# Altium PCB betaV2.3.PcbDoc (part 1 of 2) (continued)
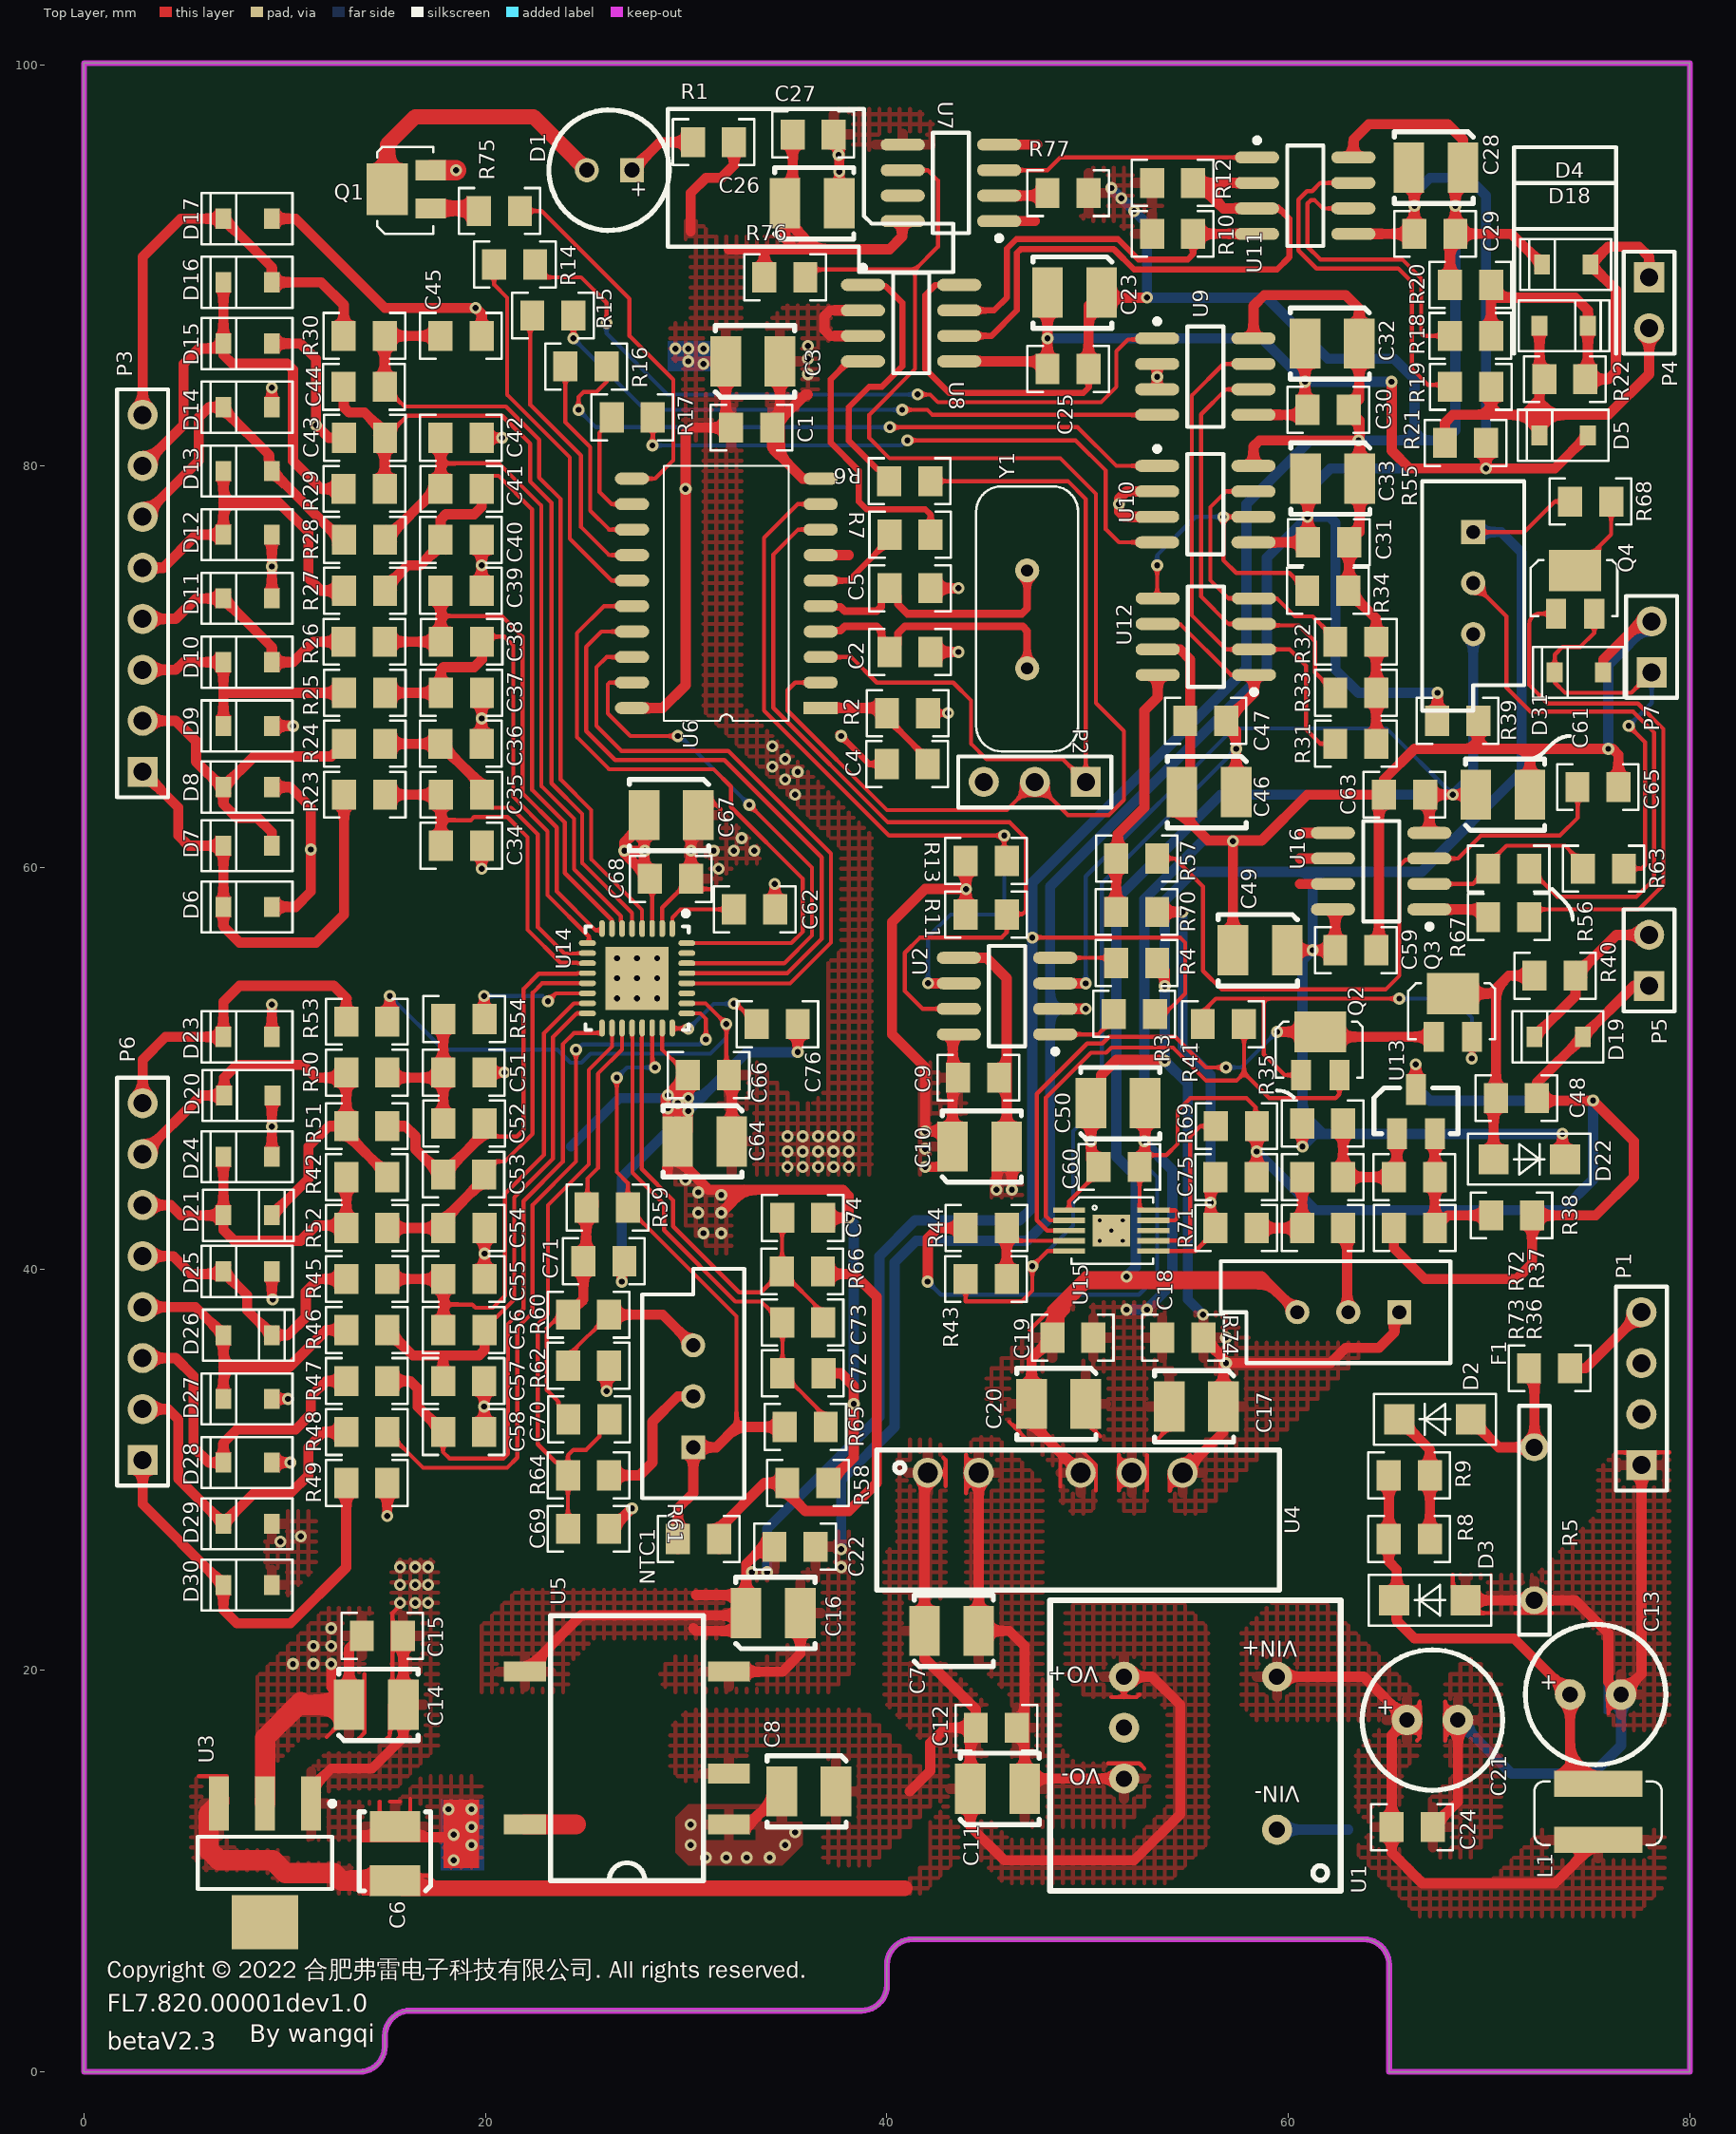
[diagram p0: Top Layer view]
## Components (designator, comment, footprint, x,y, rotation, side; value= is the part's Value field where it differs from the comment) (continued)
R49 "RC0805JR-07470RL" 0805R 15.113,29.337 r180 top value=470
R50 "RC0805JR-071KL" 0805R 15.113,49.784 r180 top value=1K
R51 "RC0805JR-071KL" 0805R 15.113,47.117 r180 top value=1K
R52 "RC0805JR-071KL" 0805R 15.113,42.037 r180 top value=1K
R53 "RC0805JR-07470RL" 0805R 15.113,52.324 r180 top value=470
R54 "RC0805JR-07100RL" 0805R 19.955,52.451 r180 top value=100R
R55 "RPot" VR5 69.215,74.168 r270 top value=1K
R56 "RC0805JR-07100ML" 0805R 69.961,59.944 r0 top value=100M
R57 "RC0805JR-072KL" 0805R 53.467,60.452 r180 top value=2K
R58 "RC0805JR-075600RL" 0805R 37.084,29.337 r180 top value=5.6K
R59 "RC0805JR-071000KL" 0805R 27.096,43.055 r180 top value=1M
R60 "RC0805JR-0768KL" 0805R 24.114,37.719 r0 top value=68K
R61 "RPot" VR5 30.353,33.655 r90 top value=1K
R62 "RC0805JR-0768KL" 0805R 26.162,35.179 r180 top value=68K
R63 "RC0805JR-072KL" 0805R 76.724,59.944 r180 top value=2K
R64 "RC0805JR-071KL" 0805R 24.114,29.718 r0 top value=1K
R65 "RC0805JR-071KL" 0805R 36.957,32.131 r180 top value=1K
R66 "RC0805JR-071KL" 0805R 34.766,39.878 r0 top value=1K
R67 "RC0805JR-0710KL" 0805R 72.009,57.531 r180 top value=10K
R68 "RC0805JR-07470RL" 0805R 74.041,78.232 r0 top value=470
R69 "RC0805JR-072KL" 0805R 58.436,47.117 r180 top value=2K
R70 "RC0805JR-072KL" 0805R 51.419,57.785 r0 top value=2K
R71 "RC0805JR-073300RL" 0805R 58.42,42.037 r180 top value=3.3K
R72 "RC0805JR-074700RL" 0805R 62.738,44.577 r180 top value=4.7K
R73 "RC0805JR-07100ML" 0805R 60.69,42.037 r0 top value=100M
R74 "RPot" VR5 62.992,37.846 r180 top value=1K
R75 "RC0805JR-0710KL" 0805R 21.717,92.71 r180 top value=10K
R76 "RC0805JR-073KL" 0805R 35.941,89.408 r180 top value=3K
R77 "RC0805JR-071KL" 0805R 50.054,93.599 r180 top value=1K
U1 "WRB_ST(SD)-3WR2" WRB_ST(SD)-3WR2 59.436,12.065 r180 top
U2 "HCPL063A" SO-8-N 48.4,51.689 r180 top
U3 "LM1117IMP" SOT223_M 9.017,10.414 r270 top
U4 "A05_S-1WR3" A05_S-1WR3 42.037,29.845 r0 top
U5 "F0505XT-W2R3" F0505XT-W2R3 32.131,12.319 r90 top
U6 "STC12C5620AD" SOP20 36.703,67.945 r180 top
U7 "HCPL-061A" SO-8-N 45.606,92.202 r180 top
U8 "HCPL063A" SO-8-N 38.798,89.027 r0 top
U9 "HCPL063A" SO-8-N 53.454,86.36 r0 top
U10 "HCPL063A" SO-8-N 53.454,80.01 r0 top
U11 "SN65LBC184" SO-8-N 58.433,95.377 r0 top
U12 "DAC7611U" SO-8-N 58.306,69.596 r180 top
U13 "TL431" SOT-23-3 65.41,46.736 r0 top
U14 "AD7124-8" TI-RHB32-3150X3150TP_V 27.559,54.483 r270 top
U15 "XTR111" S-PDSO-G10 49.081,42.926 r0 top
U16 "TL062ACD" SO-8-N 67.043,57.912 r180 top
Y1 "XTAL" 11.0592MHZ 46.99,74.803 r270 top

## Footprints (in the part's own frame and the unit in brackets; to place one, negate y for a bottom-side part, rotate by r counter-clockwise, add the part's x,y. Pads: shape width x height; smd on the part's side, far side on the other; paste and mask are expansions set on the pad)
11.0592MHZ [mm]
  round 1.2 hole 0.6: 1(0,0) 2(4.88,0)
  silkscreen extent -4.19,-2.54 9.02,2.54, body extent -3.99,-2.29 8.81,2.54, height 4.3
0805C [mm]
  rect 1.2x1.5 smd: 1(0,0) 2(2.048,0)
  silkscreen extent -1.02,-1.14 3.05,1.14, body extent 0.02,-0.65 2.02,0.66, height 0.73
0805R [mm]
  rect 1.2x1.5 smd: 1(0,0) 2(2.048,0)
  silkscreen extent -1.02,-1.14 3.05,1.14, body extent -0.13,-0.67 2.17,0.68, height 0.76
A05_S-1WR3 [mm]
  round 1.5 hole 1: 1(0,0) 2(2.54,0) 4(7.62,0) 5(10.16,0) 6(12.7,0)
  silkscreen extent -2.54,-5.84 17.53,1.14, body extent -2.33,-5.29 17.32,0.71, height 10.16
CB [mm] "Tantalum?Capacitor"
  rect 2.5x1.524 smd: 1(0,0) 2(0,-2.7)
  silkscreen extent -1.78,-3.43 1.78,0.51, body extent -1.48,-3.37 1.52,0.33, height 4.11
F0505XT-W2R3 [mm]
  rect 1x2.1 smd: 1(0,0) 2(2.54,0) 4(7.62,0) 5(7.62,10.16) 8(0,10.16)
  silkscreen extent -2.79,1.27 10.41,8.89, body extent -2.79,-0.6 10.41,10.8, height 5
HDR1X2 [mm] "Connector; Header; 2 Position"
  rect 1.5x1.5 hole 0.9: 1(0,0)
  round 1.5 hole 0.9: 2(2.54,0)
  silkscreen extent -1.27,-1.27 3.81,1.27
HDR1X3 [mm] "Connector; Header; 3 Position"
  rect 1.5x1.5 hole 0.9: 1(0,0)
  round 1.5 hole 0.9: 2(2.54,0) 3(5.08,0)
  silkscreen extent -1.27,-1.27 6.35,1.27
HDR1X4 [mm] "Connector; Header; 4 Position"
  rect 1.5x1.5 hole 0.9: 1(0,0)
  round 1.5 hole 0.9: 2(2.54,0) 3(5.08,0) 4(7.62,0)
  silkscreen extent -1.27,-1.27 8.89,1.27
HDR1X8 [mm] "Connector; Header; 8 Position"
  rect 1.5x1.5 hole 0.9: 1(0,0)
  round 1.5 hole 0.9: 2(2.54,0) 3(5.08,0) 4(7.62,0) 5(10.16,0) 6(12.7,0) 7(15.24,0) 8(17.78,0)
  silkscreen extent -1.27,-1.27 19.05,1.27
LEDΦ3.0 [mm]
  rect 1.2x1.2 hole 0.762: 1(0,0)
  round 1.2 hole 0.762: 2(2.25,0)
  silkscreen extent -1.86,-3 4.14,3, body extent -0.64,-1.9 2.79,1.9, height 4.64
MOV [mm] "Axial Device, Thru-Hole; 2 Leads; 0.3 in Pin Spacing"
  round 1.4 hole 0.85: 1(-3.81,0) 2(3.81,0)
  silkscreen extent -5.53,-0.76 5.88,0.76, body extent -5.5,-0.9 5.8,0.95, height 18.5
S-PDSO-G10 [mm]
  rect 1.6x0.27 smd: 1(0,0) 2(0,-0.508) 3(0,-1.016) 4(0,-1.524) 5(0,-2.032) 6(4.2,-2.032) 7(4.191,-1.524) 8(4.191,-1.016) 9(4.191,-0.508) 10(4.191,0)
  rect 1.88x1.57 smd: 12(2.1,-1.016)
  silkscreen extent 0.13,-2.67 4.19,0.64, body extent -0.42,-2.56 4.62,0.54, height 1.1
SO-8-N [mm]
  oval 2.2x0.6 smd: 1(0.013,0) 2(0.013,-1.27) 3(0.013,-2.54) 4(0.013,-3.81) 5(4.813,-3.81) 6(4.813,-2.54) 7(4.813,-1.27) 8(4.813,0)
  silkscreen extent -0.11,-4.41 3.31,0.97, body extent -0.48,-4.39 5.3,0.51, height 1.45
SOD123 [mm]
  rect 1.5x1.5 smd: 1(0,0) 2(3.556,0)
  silkscreen extent -1.27,-1.27 4.83,1.27, body extent -0.2,-0.8 3.5,0.8, height 1.27
SOD323 [mm]
  rect 0.8x1 smd: 1(0,0) 2(2.413,0)
  silkscreen extent -1.03,-1.27 3.49,1.27, body extent -0.16,-0.68 2.44,0.67, height 1.1
SOP20 [mm]
  rect 1.7x0.6 smd: 1(0,0)
  oval 1.7x0.6 smd: 2(0,-1.27) 3(0,-2.54) 4(0,-3.81) 5(0,-5.08) 6(0,-6.35) 7(0,-7.62) 8(0,-8.89) 9(0,-10.16) 10(0,-11.43) 11(9.4,-11.43) 12(9.4,-10.16) 13(9.4,-8.89) 14(9.4,-7.62) 15(9.4,-6.35) 16(9.4,-5.08) 17(9.4,-3.81) 18(9.4,-2.54) 19(9.4,-1.27) 20(9.4,0)
  silkscreen extent 1.58,-12.06 7.82,0.64, body extent -0.45,-12.07 9.85,0.63, height 2.51
SOT223_M [mm] "SOT223, 4-Leads, Body 6.5x3.5mm, Pitch 2.3mm, Lead Span 7mm, IPC Low Density"
  rect 2.7x1 smd: 1(-2.95,2.3) 2(-2.95,0) 3(-2.95,-2.3)
  rect 2.7x3.3 smd: 4(2.95,0)
  silkscreen extent -3.07,-3.35 1.3,3.48, body extent -1.85,-3.35 1.85,3.35, height 1.7
SOT-23-3 [mm]
  rect 1x1.524 smd: 1(0,0) 2(1.9,0) 3(0.95,2.2)
  silkscreen extent -1.14,0 3.05,2.29, body extent -0.55,-0.23 2.45,2.27, height 0.55
SOT-23-BJT [mm]
  rect 2.6x2.05 smd: 1(0.95,2.159)
  rect 1x1.5 smd: 2(0,0) 3(1.9,0)
  silkscreen extent -1.27,-0.13 3.05,2.67, body extent -0.55,-0.23 2.45,2.27, height 0.55
SOT-23-MOS [mm]
  rect 1x1.5 smd: 1(0,0) 2(1.9,0)
  rect 2.6x2.05 smd: 3(0.95,2.159)
  silkscreen extent -1.27,-0.13 3.05,2.67, body extent -0.55,-0.11 2.45,2.39, height 0.55
TI-RHB32-3150X3150TP_V [mm] "QFN, 32-Leads, Body 5x5mm, Pitch 0.5mm, Thermal Pad 3.15x3.15mm"
  oval 0.85x0.28 smd: 1(-2.475,1.75) 2(-2.475,1.25) 3(-2.475,0.75) 4(-2.475,0.25) 5(-2.475,-0.25) 6(-2.475,-0.75) 7(-2.475,-1.25) 8(-2.475,-1.75) 17(2.475,-1.75) 18(2.475,-1.25) 19(2.475,-0.75) 20(2.475,-0.25) 21(2.475,0.25) 22(2.475,0.75) 23(2.475,1.25) 24(2.475,1.75)
  oval 0.28x0.85 smd: 9(-1.75,-2.475) 10(-1.25,-2.475) 11(-0.75,-2.475) 12(-0.25,-2.475) 13(0.25,-2.475) 14(0.75,-2.475) 15(1.25,-2.475) 16(1.75,-2.475) 25(1.75,2.475) 26(1.25,2.475) 27(0.75,2.475) 28(0.25,2.475) 29(-0.25,2.475) 30(-0.75,2.475) 31(-1.25,2.475) 32(-1.75,2.475)
  rect 3.15x3.15 smd: 33(0,0)
  silkscreen extent -3.35,-2.58 2.58,2.57, body extent -2.54,-2.5 2.46,2.5, height 0.85
VLS4012 [mm]
  rect 4.4x1.3 smd: 1(0,0) 2(0,-2.8)
  silkscreen extent -3.17,-3.05 3.17,0.13, body extent -2.03,-3.62 2.03,0.83, height 1.7
VR5 [mm] "Thru-Hole; 3 Leads"
  rect 1.2x1.2 hole 0.7: 1(-2.54,0)
  round 1.2 hole 0.7: 2(0,0) 3(2.54,0)
  silkscreen extent -5.08,-2.54 6.35,2.54
WRB_ST(SD)-3WR2 [mm] "WRB_ST(SD)-3WR2"
  round 1.5 hole 0.8: 1(0,0) 4(0,-7.62) 5(7.62,-7.62) 6(7.62,-5.08) 7(7.62,-2.54)
  silkscreen extent -3.18,-11.43 11.3,3.05, body extent -2.94,-11.19 11.06,2.81, height 9
Φ6.3×11.5 [mil]
  round 60 hole 30: 1(0,0) 2(100,0)
  silkscreen extent -88,-138 188,138, body extent -75,-125 175,125, height 454

## Part data
C1 C2 C4 C5 C9 C12 C15 C18 C19 C22 C24 C25 C27 C29 C30 C31 C34 C35 C36 C37 C38 C39 C40 C41 C42 C43 C44 C45 C47 C48 C51 C52 C53 C54 C55 C56 C57 C58 C59 C60 C62 C63 C65 C66 C68 C69 C70 C71 C72 C73 C74 C75 C76: library part Cap, "Capacitor"
  C2 C5 C9 C12 C15 C18 C19 C22 C24 C25 C27 C29 C30 C31 C34 C35 C36 C37 C38 C39 C40 C41 C42 C43 C44 C45 C47 C48 C51 C52 C53 C54 C55 C56 C57 C58 C59 C60 C62 C63 C65 C66 C68 C69 C70 C71 C72 C73 C74 C75 C76: LatestRevisionDate=17-Jul-2002, LatestRevisionNote="Re-released for DXP Platform.", PackageDescription="Radial Cap, Thru-Hole; 2 Leads; 0.3 in Pin Spacing", PackageReference=RAD-0.3, Published=8-Jun-2000, Publisher="Altium Limited"
C3 C6 C7 C8 C10 C11 C13 C14 C16 C17 C20 C21 C23 C26 C28 C32 C33 C46 C49 C50 C61 C64 C67: library part "Cap Pol1", "Polarized Capacitor (Radial)", LatestRevisionDate=17-Jul-2002, LatestRevisionNote="Re-released for DXP Platform.", PackageDescription="Polarized Capacitor (Radial); 2 Leads", PackageReference=RB7.6-15, Published=8-Jun-2000, Publisher="Altium Limited"
D1: library part LED2, "Typical RED, GREEN, YELLOW, AMBER GaAs LED", LatestRevisionDate=17-Jul-2002, LatestRevisionNote="Re-released for DXP Platform.", PackageDescription="SM LED; 2 Flat Leads", PackageReference=3.2X1.6X1.1, PackageVersion=Feb-2002, Published=8-Jun-2000, Publisher="Altium Limited"
D2 D3: library part Diode, "Default Diode", Code_JEDEC=DO-214-AB, LatestRevisionDate=17-Jul-2002, LatestRevisionNote="Re-released for DXP Platform.", PackageDescription="DO-214-AB/SMC; 2 C-Bend Leads; Body 7.9 x 5.9 mm, inc. leads (LxW)", PackageReference=SMC, PackageVersion=Sep-1996, Published=8-Jun-2000, Publisher="Altium Limited"
D4 D5 D18 D19 D31: library part "D Zener", "Zener Diode", LatestRevisionDate=17-Jul-2002, LatestRevisionNote="Re-released for DXP Platform.", PackageDescription="Diode, Thru-Hole; 2 Leads; 0.7 in Pin Spacing", PackageReference=DIODE-0.7, Published=8-Jun-2000, Publisher="Altium Limited"
D6 D7 D8 D9 D10 D11 D12 D13 D14 D15 D16 D17 D20 D21 D23 D24 D25 D26 D27 D28 D29 D30: library part "TVS DIODE"
D22: library part "D Schottky", "Schottky Diode", Code_JEDEC=DO-214-AA, LatestRevisionDate=17-Jul-2002, LatestRevisionNote="Re-released for DXP Platform.", PackageDescription="DO-214-AA/SMB; 2 C-Bend Leads; Body 5.3 x 3.6 mm, inc. leads (LxW)", PackageReference=SMB, Published=8-Jun-2000, Publisher="Altium Limited"
F1: "Fuse", LatestRevisionDate=17-Jul-2002, LatestRevisionNote="Re-released for DXP Platform.", PackageDescription="Thru-Hole; 2 Leads", PackageReference=PIN-W2/E2.8, Published=8-Jun-2000, Publisher="Altium Limited"
L1: library part Inductor
NTC1 R5: library part "Res Varistor", "Varistor (Voltage-Sensitive Resistor)", Code_IPC=RESC2012, LatestRevisionDate=29-May-2009, LatestRevisionNote="IPC-7351 Footprint Added.", PackageDescription="Chip Resistor 0805 Case Size", PackageReference=6-0805, PackageVersion=Mar-2003, Published=24-Mar-1999, Publisher="Altium Limited"
P1: "Header, 4-Pin", LatestRevisionDate=17-Jul-2002, LatestRevisionNote="Re-released for DXP Platform.", Publisher="Altium Limited"
P2: "Header, 3-Pin", LatestRevisionDate=17-Jul-2002, LatestRevisionNote="Re-released for DXP Platform.", Publisher="Altium Limited"
P3 P6: "Header, 8-Pin", LatestRevisionDate=17-Jul-2002, LatestRevisionNote="Re-released for DXP Platform.", Publisher="Altium Limited"
P4 P5 P7: "Header, 2-Pin", LatestRevisionDate=17-Jul-2002, LatestRevisionNote="Re-released for DXP Platform.", Publisher="Altium Limited"
Q1 Q4: library part NPN, "NPN Bipolar Transistor", Code_JEDEC=TO-226-AA, LatestRevisionDate=17-Jul-2002, LatestRevisionNote="Re-released for DXP Platform.", PackageDescription="TO, Flat Index; 3 In-Line, Axial Leads; Body Dia. 4.8mm; Leads 0.55 x 0.51 mm (max)", PackageReference=TO-226-AA, Published=8-Jun-2000, Publisher="Altium Limited"
Q2: library part PNP, "PNP Bipolar Transistor", LatestRevisionDate=29-May-2009, LatestRevisionNote="IPC-7351 Footprint Added.", PackageDescription="3-Pin SOT-23 Package 0.95 mm Pitch, 2.4 mm Lead Span", PackageReference=SOT-23B, PackageVersion=Aug-1999, Published=8-Jun-2000, Publisher="Altium Limited"
Q3: library part NMOS-2, "N-Channel Power MOSFET", ComponentLink1Description="Manufacturer Link", ComponentLink1URL=http://www.irf.com/, DatasheetVersion=PD-9.814, LatestRevisionDate=17-Jul-2002, LatestRevisionNote="Re-released for DXP Platform.", Note="Pin 2 is electrically connected to pin 4.", PackageDescription="TO, Thru-Hole, Vertical, Heatsink Mounted; 3 In-Line Leads; Pitch 2.54 mm", PackageReference=TO-220AB, PackageVersion=Feb-1997, Published=8-Jun-2000, Publisher="Altium Limited"
R1 R2 R3 R4 R6 R7 R8 R9 R10 R11 R12 R13 R14 R15 R16 R17 R18 R19 R20 R21 R22 R23 R24 R25 R26 R27 R28 R29 R30 R31 R32 R33 R34 R35 R36 R37 R38 R39 R40 R41 R42 R43 R44 R45 R46 R47 R48 R49 R50 R51 R52 R53 R54 R56 R57 R58 R59 R60 R62 R63 R64 R65 R66 R67 R68 R69 R70 R71 R72 R73 R75 R76 R77: library part Res2, "Resistor", LatestRevisionDate=17-Jul-2002, LatestRevisionNote="Re-released for DXP Platform.", PackageDescription="Axial Device, Thru-Hole; 2 Leads; 0.4 in Pin Spacing", PackageReference=AXIAL-0.4, Published=8-Jun-2000, Publisher="Altium Limited"
R55 R61 R74: "Potentiometer", LatestRevisionDate=17-Jul-2002, LatestRevisionNote="Re-released for DXP Platform.", PackageDescription="Variable Resistor, Thru-Hole; 3 Leads", PackageReference=VR5, Published=8-Jun-2000, Publisher="Altium Limited", Set Position=0.5, Sim Note="Enter the Resistance value and the set point into parameter fields."
U7: library part 6N137
U11: library part SNx5LBC184
U12: library part DAC7611
U16: "Low-Power JFET-Input Operational Amplifier, 7 to 36 V, 0 to 70 degC, 8-pin SOIC (D8), Green (RoHS & no Sb/Br)", Manufacturer="Texas Instruments", Rating=Catalog, Supplier Part Number 1=296-7175-5-ND, Total Supply Voltage(Max)(+5V is 5, +/-5V is 10)=36, Total Supply Voltage(Min)(+5V is 5, +/-5V is 10)=7, CMRR(Min)(dB)=80, Code_JEDEC=MS-012, ComponentLink1Description="Manufacturer URL", ComponentLink1URL=http://www.ti.com/, ComponentLink2Description=Datasheet, ComponentLink2URL=http://www.ti.com/lit/ds/symlink/tl062a.pdf, ComponentLink3Description="Package Specification", ComponentLink3URL=http://www.ti.com/litv/pdf/msoi002j, DatasheetVersion=SLOS078J, Eco-Plan="Green (RoHS & no Sb/Br)", GBW(Typ)(MHz)=1, IIB(Max)(pA)=200, Iq per channel(Max)(mA)=0.25, Mounting Technology="Surface Mount", Number of Channels=2, Offset Drift(Typ)(uV/C)=10, PackageDescription="8-Pin Plastic Small Outline, Body 4.9 x 3.9 mm, Pitch 1.27 mm", PackageReference=D8, PackageVersion="4040047-3/M, 06/2011", PartNumber=TL062ACD, Slew Rate(Typ)(V/us)=3.5, Sub Family="General Purpose Amplifier, High Supply Voltage Amplifier (>=30V), Low Power Amp (<=500uA)", Supplier 1=Digi-Key, Supplier 2=Farnell, Supplier 3=Newark, Supplier 4=Mouser, Supplier Part Number 2=9593241, Supplier Part Number 3=08F9224, Supplier Part Number 4=595-TL062ACD, Vio (25C)(Max)(mV)=6, Vn at 1kHz(Typ)(nV/rtHz)=42
Y1: "Crystal Oscillator", LatestRevisionDate=17-Jul-2002, LatestRevisionNote="Re-released for DXP Platform.", PackageDescription="Crystal, Thru-Hole; 2 Leads; Body 3.1 x 8.2 mm (Dia.xH)", PackageReference=R38, Published=8-Jun-2000, Publisher="Altium Limited"

## Via types
v1: diameter 0.6, hole 0.3, Top Layer to Bottom Layer, 195 vias
v2: diameter 0.5, hole 0.3, Top Layer to Bottom Layer, 9 vias
v3: diameter 0.3, hole 0.2, Top Layer to Bottom Layer, 5 vias

## Nets (pads, with @x,y where several pads share a name; then routed paths per layer and width w, separated by ;. In a path a pad name is that pad's centre, name@x,y a point inside that pad or via, vN(x,y) a via of type N, cw(c..) or ccw(c..) an arc to the next point about the centre after c; other vN are vias at no path point)
3.3VCC: C1.1 C3.1 C4.1 C9.1 C10.1 C14.1 C15.1 C26.1 C27.1 C64.1 C66.1 C67.1 C68.1 R1.1 R11.1 R13.1 R53.1 R76.2 U2.8 U3.2 U6.20 U7.8 U14.2 U14.26 | length 140.5
  Top Layer w0.203: 8.763,14.732 8.763,14.943 8.636,15.07 8.636,13.745 U3.2@9.017,13.364 U3.2@9.271,13.618 ; 9.398,15.24 9.398,15.207 ; 12.09,16.682 13.208,17.8 C14.1@13.208,18.288 ; 13.716,16.637 13.97,16.891 13.97,19.812 ; U14.2@28.809,56.958 28.809,58.003 C68.1@30.242,59.436 30.75,58.928 31.242,58.928 ; U14.26@30.034,53.233 30.968,53.233 v1(32.004,52.197) 32.004,50.292 31.75,50.038 C66.1@32.131,49.657 ; C67.1@30.607,63.5 31.115,63.5 31.725,62.89 ; U3.2@9.271,13.618 9.398,13.745 9.398,15.207 ; U3.2@9.271,13.618 9.271,15.08 9.398,15.207
  Top Layer w0.305: v1@37.592,66.675 v1(37.719,66.548) 39.116,65.151 C4.1@39.989,65.151
  Top Layer w0.508: v1(12.319,20.32) 12.319,19.177 C14.1@13.208,18.288 13.208,21.082 C15.1@13.843,21.717 ; R53.1@15.113,52.324 15.24,52.451 v1(15.24,53.594) ; U6.20@27.303,67.945 28.829,67.945 29.972,69.088 v1(29.972,78.867) 29.972,81.617 30.27,81.915 C1.1@31.971,81.915 ; 30.226,91.694 30.226,93.599 30.988,94.361 31.75,94.361 32.385,94.996 R1.1@32.385,96.139 ; C68.1@30.242,59.436 v1(30.242,60.841) 30.242,62.246 C67.1@30.607,62.611 ; C3.1@31.971,85.217 C1.1@31.971,81.915 ; C66.1@32.131,49.657 32.275,49.513 C64.1@32.275,46.355 ; 32.131,90.805 33.909,90.805 ; C1.1@32.242,81.915 C1.1@31.971,81.915 ; R76.2@33.893,89.408 33.893,90.789 33.909,90.805 ; 35.223,91.059 34.925,91.357 C26.1@34.925,92.329 ; C27.1@35.306,96.52 35.306,93.472 C26.1@34.925,93.091 C26.1@34.925,92.329 ; U7.8@40.793,92.202 40.765,92.174 40.765,91.438 40.132,90.805 36.449,90.805 ; v1(41.91,45.085) 42.468,45.085 42.488,45.105 42.766,45.105 43.274,45.613 C10.1@43.274,46.101 C10.1@43.274,46.736 ; U2.8@43.286,51.647 43.286,49.789 C9.1@43.545,49.53 43.274,49.53 C10.1@43.274,46.736 ; R11.1@43.926,57.658 43.942,57.674 v1(43.942,58.928) ; R13.1@43.926,60.325 43.942,60.309 v1(43.942,58.928) ; 33.909,90.805 36.449,90.805 ; C26.1@34.925,92.329 36.449,90.805 ; C10.1@43.274,46.736 43.147,46.863 v1(41.91,46.863) 41.91,50.038 40.259,51.689 40.259,57.277 41.91,58.928 v1(43.942,58.928)
  Top Layer w1.016: U3.2@9.017,13.364 9.017,16.637 10.795,18.415 10.922,18.288 C14.1@13.208,18.288
  Bottom Layer w0.203: v1(15.24,53.594) 17.907,50.927 23.584,50.927 24.239,50.271 24.783,50.271 25.235,50.724 31.204,50.724 32.004,51.524 v1(32.004,52.197)
  other v1: 10.414,20.32 11.43,20.32 11.43,21.209 12.319,21.209 12.319,22.098 35.052,45.085 35.814,45.085 36.576,45.085 37.338,45.085 38.1,45.085 35.052,45.847 35.814,45.847 36.576,45.847 37.338,45.847 38.1,45.847 41.91,45.974 35.052,46.609 35.814,46.609 36.576,46.609 37.338,46.609 38.1,46.609 31.623,59.944 31.369,60.833 32.385,60.833 33.401,60.833 32.766,61.468 35.433,63.627 34.925,64.389 35.56,64.77 34.29,65.024 34.925,65.405 34.29,66.04 30.861,85.09 30.099,85.217 29.464,85.852 30.099,85.852 30.861,85.852
5VDD: C16.1 C22.2 C23.1 C25.1 C28.1 C29.1 C30.1 C31.1 C32.1 C33.1 D4.2 R3.2 R10.1 R12.1 R20.1 R31.1 R32.1 R33.1 R34.1 R77.1 U5.5 U8.8 U9.8 U10.8 U11.8 | length 226.2
  Top Layer w0.203: v1(47.244,56.515) 54.61,56.515 54.864,56.261 54.864,53.721 53.848,52.705 R3.2@53.356,52.705
  Top Layer w0.305: U8.8@43.612,89.027 42.418,89.027 41.91,88.519 41.91,84.836 43.107,83.639 49.784,83.639 50.054,83.909 C25.1@50.054,84.836
  Top Layer w0.508: U5.5@21.971,19.939 24.765,22.733 32.86,22.733 C16.1@32.987,22.86 ; 30.353,22.098 30.48,21.971 33.02,21.971 32.987,22.004 C16.1@32.987,22.86 ; 30.48,23.749 C16.1@32.987,23.749 ; C22.2@34.401,26.162 33.846,26.162 32.987,25.304 C16.1@32.987,23.749 ; C25.1@50.05,84.84 50.05,87.99 C23.1@50.706,88.646 50.96,88.392 v1(52.959,88.392) ; U10.8@58.267,80.01 58.267,80.982 58.565,81.28 v1(63.5,81.28) v1@63.557,81.28 ; U9.8@58.267,86.36 58.267,87.985 58.801,88.519 62.865,88.519 63.533,87.851 C32.1@63.533,86.106 63.533,83.329 C30.1@63.008,82.804 63.557,82.255 v1@63.557,81.28 ; U11.8@63.246,95.377 63.246,96.266 64.008,97.028 67.945,97.028 68.707,96.266 C28.1@68.707,94.869 68.326,94.488 v1(68.326,92.964) C29.1@68.326,91.567 ; R31.1@64.389,66.167 R33.1@64.389,68.707 R32.1@64.389,71.247 64.389,72.39 R34.1@62.992,73.787 63.032,73.827 C31.1@63.032,76.2 63.557,76.725 C33.1@63.557,79.375 v1@63.557,81.28 ; R20.1@68.056,89.027 68.056,91.297 C29.1@68.326,91.567 ; D4.2@72.644,90.043 71.12,91.567 C29.1@68.326,91.567 ; C16.1@32.987,22.86 C16.1@32.987,23.716 ; C16.1@32.987,23.716 C16.1@32.987,23.749 ; C16.1@32.987,23.716 33.02,23.749 C16.1@32.987,23.749
  Bottom Layer w0.508: v1(34.036,24.892) 34.036,27.051 39.624,32.639 39.624,40.64 41.402,42.418 46.609,42.418 47.244,43.053 v1(47.244,56.515) 47.244,59.244 57.912,69.912 57.912,78.105 61.069,81.262 63.482,81.262 v1(63.5,81.28) 66.294,81.28 ; v1(51.181,93.853) v1(51.689,93.345) v1(52.324,92.71) 52.959,92.075 v1(52.959,88.392) 58.928,88.392 61.976,85.344 65.278,85.344 66.294,84.328 66.294,81.28 ; v1(68.326,92.964) 68.326,81.788 67.818,81.28 66.294,81.28
  other v1: 33.274,24.892
5VIN: C6.1 C7.1 C8.1 C11.1 C12.2 U1.5 U3.3 U4.1 U5.2 | length 97.4
  Top Layer w0.203: 5.715,14.732 7.112,14.732 7.112,13.759 U3.3@6.717,13.364 ; 13.888,8.89 17.526,8.89 17.526,9.144 17.526,9.398 17.145,9.779 15.748,9.779 C6.1@15.494,9.525 ; U4.1@41.877,29.685 42.026,29.834 42.926,29.834 ; 42.799,30.607 42.926,30.48 42.926,29.834 ; 42.926,29.188 42.926,29.834 ; 51.181,18.669 51.816,18.669 ; U1.5@51.816,19.685 51.816,18.669 ; 52.578,18.796 52.451,18.669 51.816,18.669
  Top Layer w0.508: 41.148,13.97 42.164,14.986 42.164,16.383 42.926,17.145 C12.2@44.434,17.145 ; U4.1@41.877,29.685 C7.1@41.877,21.971 41.877,20.607 44.434,18.05 C12.2@44.434,17.145 ; U4.1@42.026,29.834 U4.1@42.037,29.845 ; U1.5@51.816,19.685 53.213,19.685 54.61,18.288 54.61,12.827 52.324,10.541 45.847,10.541 44.163,12.225 C11.1@44.163,14.097 44.163,16.874 C12.2@44.434,17.145
  Top Layer w0.762: C6.1@15.494,9.525 15.875,9.144 17.526,9.144 40.894,9.144
  Top Layer w1.016: U3.3@6.717,13.364 6.223,12.87 6.223,11.049 6.731,10.541 9.398,10.541 10.033,9.906 12.446,9.906 12.827,9.525 C6.1@15.494,9.525
5VIN-: C1.2 C2.2 C3.2 C5.2 C6.2 C7.2 C8.2 C9.2 C10.2 C11.2 C12.1 C14.2 C15.2 C26.2 C27.2 C34.2 C36.2 C37.2 C39.2 C40.2 C42.2 C43.2 C45.2 C51.2 C54.2 C55.2 C57.2 C58.2 C62.1 C64.2 C66.2 C67.2 C68.2 C69.2 C71.2 C72.2 C74.2 C76.1 D6.1 D8.1 D9.1 D11.1 D12.1 D14.1 D15.1 D17.1 D20.1 D23.1 D24.1 D25.1 D27.1 D28.1 D29.1 D30.1 P2.3 Q1.3 R2.1 R49.1 R58.1 R62.1 U1.7 U2.5 U3.1 U4.2 U5.1 U6.10 U7.5 U8.2 U8.3 U9.2 U9.3 U10.2 U10.3 U14.3 U14.23 | length 251.7
  Top Layer w0.203: 12.173,13.481 12.192,13.462 ; 13.888,11.938 16.891,11.938 17.145,11.684 ; 14.732,13.462 14.732,12.987 C6.2@15.494,12.225 16.256,12.987 16.256,13.589 ; 15.113,16.637 15.24,16.764 C14.2@15.24,18.288 ; 15.24,13.462 15.748,13.462 ; v1(15.748,23.368) 15.748,23.261 15.587,23.1 15.587,23.08 15.367,22.86 15.367,18.829 C14.2@15.908,18.288 ; C68.2@28.194,59.436 28.305,59.325 28.305,56.962 U14.3@28.309,56.958 ; 28.809,50.919 U14.23@28.809,52.008 ; 28.821,50.919 C66.2@30.083,49.657 ; 42.291,95.885 42.291,96.393 ; 43.942,28.829 43.942,30.75 ; 51.015,15.367 52.578,15.367 52.832,15.113
  Top Layer w0.305: R2.1@42.053,67.691 v1(43.053,67.691)
  Top Layer w0.381: C64.2@29.575,46.355 29.575,49.149 C66.2@30.083,49.657
  Top Layer w0.508: D28.1@9.36,30.353 v1(10.287,30.353) ; D27.1@9.36,33.528 v1(10.16,33.528) ; D25.1@9.36,39.878 9.36,38.519 v1(9.398,38.481) ; D24.1@9.36,45.593 v1(9.36,47.098) 9.36,48.603 D20.1@9.398,48.641 ; D23.1@9.36,51.562 v1(9.36,53.175) ; D6.1@9.36,58.039 10.541,58.039 11.303,58.801 v1(11.303,60.896) 11.303,62.992 10.287,64.008 D8.1@9.36,64.008 ; D9.1@9.36,67.056 10.414,67.056 v1(10.422,67.048) ; D11.1@9.36,73.406 v1(9.36,74.993) D12.1@9.36,76.581 ; D14.1@9.36,82.931 v1(9.36,83.901) ; D15.1@9.36,86.106 10.795,86.106 11.557,85.344 v1(11.557,82.042) 12.192,81.407 C43.2@12.954,81.407 ; D17.1@9.36,92.329 10.541,92.329 14.986,87.884 v1(19.514,87.884) 19.812,87.586 C45.2@19.812,86.487 ; U3.1@11.317,13.364 11.317,14.111 12.319,15.113 14.351,15.113 15.908,16.67 C14.2@15.908,18.288 15.908,21.7 C15.2@15.891,21.717 ; 13.888,11.684 17.145,11.684 18.288,11.684 v1(18.415,11.811) ; v1(15.113,27.686) R49.1@15.113,29.337 ; v1(19.812,59.944) 19.812,61.071 C34.2@19.828,61.087 ; C36.2@19.812,66.167 v1(19.812,67.429) 19.812,68.691 C37.2@19.828,68.707 ; C39.2@19.812,73.787 v1(19.812,75.057) C40.2@19.812,76.327 ; C42.2@19.812,81.407 v1(20.828,81.407) ; C58.2@19.939,31.877 v1(19.939,33.147) C57.2@19.939,34.417 ; C55.2@19.955,39.497 v1(19.955,40.767) C54.2@19.955,42.037 ; C51.2@19.955,49.784 v1(20.955,49.784) ; v1(26.035,33.909) 26.035,35.052 R62.1@26.162,35.179 ; C69.2@26.162,27.051 26.289,27.051 v1(27.305,28.067) ; v1(26.797,39.37) 26.797,40.132 27.051,40.386 C71.2@26.924,40.386 ; C67.2@27.907,62.611 C67.2@27.907,62.23 ; v1(27.94,60.833) v1@27.907,60.833 ; C68.2@28.194,59.436 C68.2@27.907,59.723 ; 29.083,44.831 29.083,45.863 C64.2@29.575,46.355 ; C66.2@29.575,49.149 v1(29.083,48.657) 28.986,48.56 28.986,48.128 29.083,48.031 v1(29.083,48.006) 29.083,46.847 C64.2@29.575,46.355 ; C66.2@30.083,49.657 30.083,46.863 C64.2@29.575,46.355 ; v1(31.75,42.799) 32.893,43.942 ; U5.1@32.131,12.319 33.114,12.319 C8.2@34.765,13.97 ; v1(34.417,59.182) 34.425,59.174 34.425,57.92 C62.1@34.433,57.912 ; C3.2@34.671,85.217 C1.2@34.671,82.296 ; v1(35.56,50.8) C76.1@35.56,52.197 ; 36.068,83.566 35.941,83.566 C1.2@34.671,82.296 ; U6.10@36.703,79.375 35.814,79.375 34.671,80.518 ; C74.2@36.83,42.545 v1(38.1,42.545) 38.1,43.644 37.802,43.942 32.893,43.942 ; C72.2@36.846,34.798 37.719,34.798 38.354,34.163 v1(38.354,33.274) 38.354,30.607 R58.1@37.084,29.337 ; C27.2@37.354,96.52 37.625,96.249 v1(37.625,94.67) C26.2@37.625,93.091 ; U8.3@38.811,86.487 37.178,86.487 36.881,86.785 36.881,87.459 37.178,87.757 U8.2@38.811,87.757 ; C2.2@42.18,70.739 v1(43.561,70.739) ; C5.2@42.18,73.914 v1(43.561,73.914) ; U2.5@43.587,55.499 44.958,55.499 45.974,54.483 C10.2@45.974,46.101 ; U4.2@44.577,29.845 C7.2@44.577,21.971 46.101,21.971 46.863,21.209 C11.2@46.863,14.097 47.371,14.605 U1.7@51.816,14.605 ; v1(45.466,43.942) 45.466,45.593 C10.2@45.974,46.101 ; v1(46.228,43.942) 46.228,45.339 46.482,45.593 C10.2@45.974,46.101 ; U10.3@53.467,77.47 51.816,77.47 51.562,77.724 v1(51.562,78.105) 51.58,78.123 51.58,78.377 51.935,78.732 53.459,78.732 U10.2@53.467,78.74 ; U9.3@53.467,83.82 v1(53.467,84.455) U9.2@53.467,85.09 ; v1(26.924,60.833) 26.924,60.706 C68.2@27.907,59.723 ; v1(26.924,60.833) 26.924,61.247 C67.2@27.907,62.23 ; v1(26.924,60.833) v1@27.907,60.833 ; C68.2@27.907,59.723 v1@27.907,60.833 ; v1@27.907,60.833 C67.2@27.907,62.23 ; C64.2@29.575,46.355 29.575,45.482 31.115,43.942 32.893,43.942 ; 34.671,80.518 C1.2@34.671,82.296 ; 34.671,80.518 34.29,80.899 C1.2@34.29,81.915 C1.2@34.671,82.296
  Top Layer w1.016: Q1.3@17.272,94.742 v1(18.542,94.742)
  Bottom Layer w0.508: 24.257,46.101 26.67,48.514 v1(30.099,48.514) 30.734,48.514 ; v1(26.797,39.37) 26.797,44.577 v1(30.099,47.879) 30.734,48.514 ; v1(35.56,50.8) 33.02,50.8 30.734,48.514 ; v1(38.1,42.545) 38.354,42.291 v1(38.354,33.274)
  other v1: 18.415,10.541 30.988,10.668 32.004,10.668 33.02,10.668 34.163,10.668 19.304,11.303 30.226,11.303 34.925,11.303 35.433,11.938 19.304,12.192 30.226,12.319 18.161,13.081 19.304,13.081 16.51,23.368 17.145,23.368 15.748,24.257 16.51,24.257 17.145,24.257 15.748,25.146 16.51,25.146 17.145,25.146 9.779,26.416 10.795,26.67 30.861,41.783 31.75,41.783 30.607,42.799 31.75,43.688 30.607,43.815 29.972,44.45 29.591,48.26 36.068,84.582 36.068,85.344 36.068,85.979 37.592,95.504
5VON: R11.2 U2.7 U6.8 | length 41.8
  Top Layer w0.203: U6.8@36.703,76.835 35.585,76.835 34.341,75.591 34.341,67.961 40.051,62.251 46.119,62.251 46.93,61.44 46.93,57.852 46.76,57.682 45.998,57.682 R11.2@45.974,57.658 45.974,56.769 45.72,56.515 41.656,56.515 40.894,55.753 40.894,53.848 41.783,52.959 U2.7@43.587,52.959
15V: C17.1 C18.1 C49.1 C50.1 C59.2 C60.2 D22.2 R4.2 R35.1 R55.1 R68.1 R74.1 U4.6 U15.1 U16.8 | length 130.6
  Top Layer w0.203: U15.1@49.081,42.926 49.081,43.366 50.546,44.831 C60.2@50.546,45.085 ; 54.102,28.94 U4.6@54.102,29.972 ; U4.6@54.483,30.099 55.118,30.734 ; R55.1@69.215,76.708 71.755,76.708 73.279,78.232 R68.1@74.041,78.232
  Top Layer w0.508: C60.2@50.546,45.085 50.165,45.466 v1(50.165,46.355) C50.1@50.165,48.26 50.673,48.768 50.673,49.657 51.435,50.419 53.777,50.419 53.823,50.373 v1(53.848,50.373) ; R4.2@53.467,55.245 53.848,54.864 v1(53.848,54.102) ; U4.6@54.737,29.845 56.769,31.877 C17.1@56.769,33.147 56.769,35.306 56.769,35.576 C18.1@55.769,36.576 ; v1(56.896,35.306) 62.103,35.306 62.865,36.068 64.516,36.068 65.282,36.834 65.282,37.596 R74.1@65.532,37.846 ; C49.1@59.944,55.88 v1(61.214,55.88) C59.2@62.341,55.88 62.341,57.801 U16.8@62.23,57.912 ; R35.1@60.69,47.244 60.69,46.117 v1(60.706,46.101) ; v1(73.66,46.736) 73.66,45.593 D22.2@73.787,45.466
  Bottom Layer w0.508: v1(55.753,37.719) 54.991,38.481 54.991,49.23 v1(53.848,50.373) v1(53.848,54.102) 53.848,58.358 55.276,59.786 61.214,59.786 ; R55.1@69.215,76.708 70.612,76.708 71.628,75.692 71.628,64.77 66.644,59.786 61.214,59.786 ; v1(73.66,46.736) 73.652,46.728 61.722,46.728 ; 60.706,46.526 60.706,47.236 ; 60.706,46.526 60.909,46.728 61.214,46.728 ; 60.706,46.526 v1(60.706,46.101) 61.333,46.728 ; 60.706,47.236 61.214,46.728 ; 60.706,47.236 60.706,47.744 ; 60.706,47.744 60.706,55.372 v1(61.214,55.88) 61.214,59.786 ; 60.706,47.744 61.722,46.728 ; 61.214,46.728 61.333,46.728 ; 61.333,46.728 61.722,46.728
  other v1: 56.896,36.576
485WR/RD: R12.2 U8.6 U11.2 U11.3 | length 31.7
  Top Layer w0.305: U8.6@43.612,86.487 45.212,86.487 46.482,87.757 46.482,90.626 46.661,90.805 51.311,90.805 52.327,89.789 59.436,89.789 60.049,90.402 60.049,92.329 59.541,92.837 U11.3@58.446,92.837
  Top Layer w0.508: R12.2@55.261,94.107 R12.2@55.499,94.107 ; U11.3@58.446,92.837 56.769,92.837 56.261,93.345 ; U11.2@58.446,94.107 56.261,94.107 ; R12.2@55.499,94.107 56.261,94.107 ; R12.2@55.499,94.107 56.261,93.345 ; 56.261,93.345 56.261,94.107
-15V: C19.1 C20.2 C61.1 C63.2 R55.3 R74.3 U2.3 U4.4 U16.4 | length 123.2
  Top Layer w0.203: 46.093,32.393 46.99,31.496 ; 47.117,36.957 48.117,37.957 48.244,37.957 ; 48.641,29.146 48.641,30.353 48.895,30.607 ; 49.657,30.988 50.419,30.226 50.419,28.956
  Top Layer w0.508: U2.3@48.387,54.229 v1(49.911,54.229) ; 48.798,38.07 48.798,38.12 49.393,38.714 ; 48.895,37.973 48.59,37.668 48.59,36.922 C19.1@48.244,36.576 ; 49.403,38.714 49.393,38.714 ; U4.4@49.657,29.845 48.895,30.607 47.211,32.291 C20.2@47.211,33.274 47.211,35.543 C19.1@48.244,36.576 ; R74.3@60.452,37.846 59.055,39.243 ; U16.4@67.03,61.722 67.03,63.415 C63.2@66.818,63.627 v1(68.199,63.627) C61.1@69.342,63.627 ; C19.1@48.244,36.576 48.244,37.957 49.911,39.624 v1(51.943,39.624) 58.674,39.624 59.055,39.243 ; 49.393,38.714 49.921,39.243 59.055,39.243
  Bottom Layer w0.203: v1(49.911,54.229) 49.911,59.563 57.277,66.929 64.897,66.929 v1(68.199,63.627)
  Bottom Layer w0.508: v1(51.943,39.624) 52.406,40.087 52.406,44.622 51.435,45.593 51.435,58.42 56.642,63.627 v1(68.199,63.627) 69.215,64.643 R55.3@69.215,71.628
A1: R14.2 U6.15 | length 19.2
  Top Layer w0.203: R14.2@20.431,90.043 20.431,89.043 21.082,88.392 21.082,83.555 24.206,80.431 24.206,76.378 26.289,74.295 U6.15@27.303,74.295
A2: R15.2 U6.14 | length 14.7
  Top Layer w0.203: R15.2@22.225,87.503 22.225,83.058 24.765,80.518 24.765,76.962 26.162,75.565 U6.14@27.303,75.565
A3: R16.2 U6.13 | length 10.2
  Top Layer w0.203: R16.2@23.987,84.963 23.982,84.958 23.982,82.19 25.222,80.95 25.222,77.775 26.162,76.835 U6.13@27.303,76.835
A4: R17.2 U6.12 | length 5.8
  Top Layer w0.203: R17.2@26.289,82.423 26.289,82.273 25.679,81.663 25.679,78.715 26.289,78.105 U6.12@27.303,78.105
AIN8: R54.1 U14.14 | length 6.3
  Top Layer w0.203: v1(23.114,53.34) 23.503,53.729 25.08,53.729 U14.14@25.084,53.733
  Top Layer w0.508: R54.1@19.939,52.689 v1(19.939,53.594)
  Bottom Layer w0.203: v1(19.939,53.594) 22.86,53.594 v1(23.114,53.34)
AIN11: C58.1 R47.1 U14.17 | length 32.8
  Top Layer w0.203: C58.1@17.891,31.877 17.891,30.877 18.212,30.556 20.893,30.556 21.133,30.796 21.133,37.262 21.895,38.024 21.895,43.381 23.855,45.341 23.855,51.199 24.411,51.754 25.773,51.754 25.809,51.79 U14.17@25.809,52.008
  Top Layer w0.508: R47.1@15.113,34.417 16.256,34.417 16.637,34.036 16.637,33.131 C58.1@17.891,31.877
C\S\: U6.16 U14.32 | length 31.9
  Top Layer w0.203: U6.16@27.303,73.025 25.908,73.025 24.562,71.679 24.562,66.497 26.162,64.897 31.369,64.897 32.237,64.029 32.237,63.013 35.814,59.436 35.814,56.803 35.244,56.233 U14.32@30.034,56.233
CHN1_N: C44.2 C45.1 R30.1 U14.4 | length 40.6
  Top Layer w0.203: C44.2@14.986,83.947 15.963,82.97 21.021,82.97 22.682,81.308 22.682,79.426 23.749,78.359 23.749,64.389 25.273,62.865 25.273,60.419 27.804,57.887 27.804,56.962 U14.4@27.809,56.958
  Top Layer w0.508: C44.2@14.986,83.947 R30.1@14.986,86.487 C45.1@17.764,86.487
CHN1_P: C43.1 C44.1 R29.1 U14.5 | length 40.9
  Top Layer w0.203: C43.1@15.002,81.407 16.108,82.513 20.832,82.513 22.225,81.119 22.225,79.237 23.292,78.17 23.292,64.2 24.816,62.676 24.816,60.229 27.304,57.741 27.304,56.962 U14.5@27.309,56.958
  Top Layer w0.508: C44.1@12.938,83.947 12.938,82.947 13.208,82.677 13.97,82.677 15.002,81.645 C43.1@15.002,81.407 14.986,81.391 R29.1@14.986,78.867
CHN2_N: C41.2 C42.1 R28.1 U14.6 | length 35
  Top Layer w0.203: 17.764,80.137 19.713,80.137 20.678,80.137 22.784,78.031 22.784,64.061 24.413,62.432 24.413,59.915 25.494,58.834 26.751,57.577 26.751,57.322 26.809,57.264 U14.6@26.809,56.958
  Top Layer w0.508: R28.1@15.002,76.327 17.542,78.867 C41.2@17.764,78.867 17.764,80.137 C42.1@17.764,81.407
CHN2_P: C40.1 C41.1 R27.1 U14.7 | length 34.4
  Top Layer w0.203: C41.1@19.812,78.867 19.812,79.017 20.311,79.516 20.429,79.516 20.654,79.516 22.327,77.842 22.327,63.872 23.956,62.243 23.956,59.726 25.305,58.377 26.294,57.387 26.294,56.973 U14.7@26.309,56.958
  Top Layer w0.508: R27.1@15.002,73.787 15.002,73.93 16.129,75.057 16.764,75.057 17.764,76.057 C40.1@17.764,76.327 17.764,77.327 18.034,77.597 19.431,77.597 19.812,77.978 C41.1@19.812,78.867
CHN3_N: C38.2 C39.1 R26.1 U14.8 | length 26.4
  Top Layer w0.203: 17.764,72.525 20.82,72.525 21.844,71.501 21.844,63.709 23.553,62 23.553,58.812 25.483,56.882 25.773,56.882 25.809,56.917 U14.8@25.809,56.958
  Top Layer w0.508: R26.1@14.986,71.247 C38.2@17.78,71.247 17.764,71.263 17.764,72.525 C39.1@17.764,73.787
CHN3_P: C37.1 C38.1 R25.1 U14.9 | length 25.3
  Top Layer w0.203: C38.1@19.927,71.102 20.326,71.501 20.955,71.501 21.387,71.069 21.387,63.52 23.096,61.811 23.096,58.623 25.16,56.559 25.16,56.269 25.125,56.233 U14.9@25.084,56.233
  Top Layer w0.508: R25.1@15.002,68.707 C37.1@17.78,68.707 17.78,69.85 17.907,69.977 19.431,69.977 19.828,70.374 C38.1@19.828,71.247
CHN4_N: C35.2 C36.1 R24.1 U14.10 | length 17.5
  Top Layer w0.203: C35.2@19.828,63.627 19.828,63.477 20.326,62.978 20.445,62.978 21.282,62.978 22.606,61.654 22.606,57.034 23.929,55.711 24.577,55.711 24.594,55.728 25.079,55.728 U14.10@25.084,55.733
  Top Layer w0.508: R24.1@15.002,66.167 C36.1@17.764,66.167 17.764,66.147 19.025,64.885 19.044,64.885 19.828,64.102 C35.2@19.828,63.627
CHN4_P: C34.1 C35.1 R23.1 U14.11 | length 18.4
  Top Layer w0.203: 17.78,62.357 19.275,62.357 19.328,62.41 19.44,62.521 21.092,62.521 22.098,61.516 22.098,56.896 23.74,55.254 24.577,55.254 24.594,55.237 25.079,55.237 U14.11@25.084,55.233
  Top Layer w0.508: R23.1@15.002,63.627 C35.1@17.78,63.627 17.78,62.357 C34.1@17.78,61.087
CHN5_N: C56.2 C57.1 R46.1 U14.16 | length 26.1
  Top Layer w0.203: C56.2@19.955,36.957 19.955,37.107 20.453,37.606 20.563,37.606 21.438,38.481 21.438,43.57 23.368,45.5 23.368,51.551 24.55,52.733 U14.16@25.084,52.733
  Top Layer w0.508: R46.1@15.113,36.957 16.383,35.687 17.891,35.687 18.034,35.687 ; C57.1@17.891,34.417 17.891,35.544 18.034,35.687 ; C56.2@19.955,36.957 19.955,35.957 19.685,35.687 18.034,35.687
CHN5_P: C55.1 C56.1 R45.1 U14.15 | length 25.4
  Top Layer w0.203: 17.907,38.227 19.341,38.227 19.437,38.131 19.506,38.063 20.373,38.063 20.981,38.67 20.981,43.759 22.911,45.689 22.911,51.74 24.404,53.233 U14.15@25.084,53.233
  Top Layer w0.508: R45.1@15.113,39.497 C55.1@17.907,39.497 17.907,38.227 C56.1@17.907,36.957
CHN6_N: C70.2 C71.1 R59.2 R60.1 U14.19 | length 22
  Top Layer w0.203: C70.2@24.029,32.385 24.029,32.411 C70.2@24.13,32.512 ; R60.1@24.114,38.1 23.063,37.049 23.063,33.96 23.631,33.392 23.631,33.161 23.899,32.893 C70.2@24.13,32.893 ; R59.2@25.547,43.111 25.547,43.398 25.242,43.703 25.084,43.703 25.084,44.504 25.606,45.026 25.606,49.725 26.809,50.928 U14.19@26.809,52.008
  Top Layer w0.508: R60.1@24.114,37.719 24.876,38.481 C71.1@24.876,40.386 25.019,40.529 R59.2@25.019,43.106